# Altium PCB board.PcbDoc (part 2 of 4)
Units mm, origin at the board's own origin, x right, y up, seen from the top; angles counter-clockwise.
Board outline 300 x 184 mm, 2 copper layers (Top Layer, Bottom Layer); 398 components, 261 nets, 1329 pads, 584 vias.
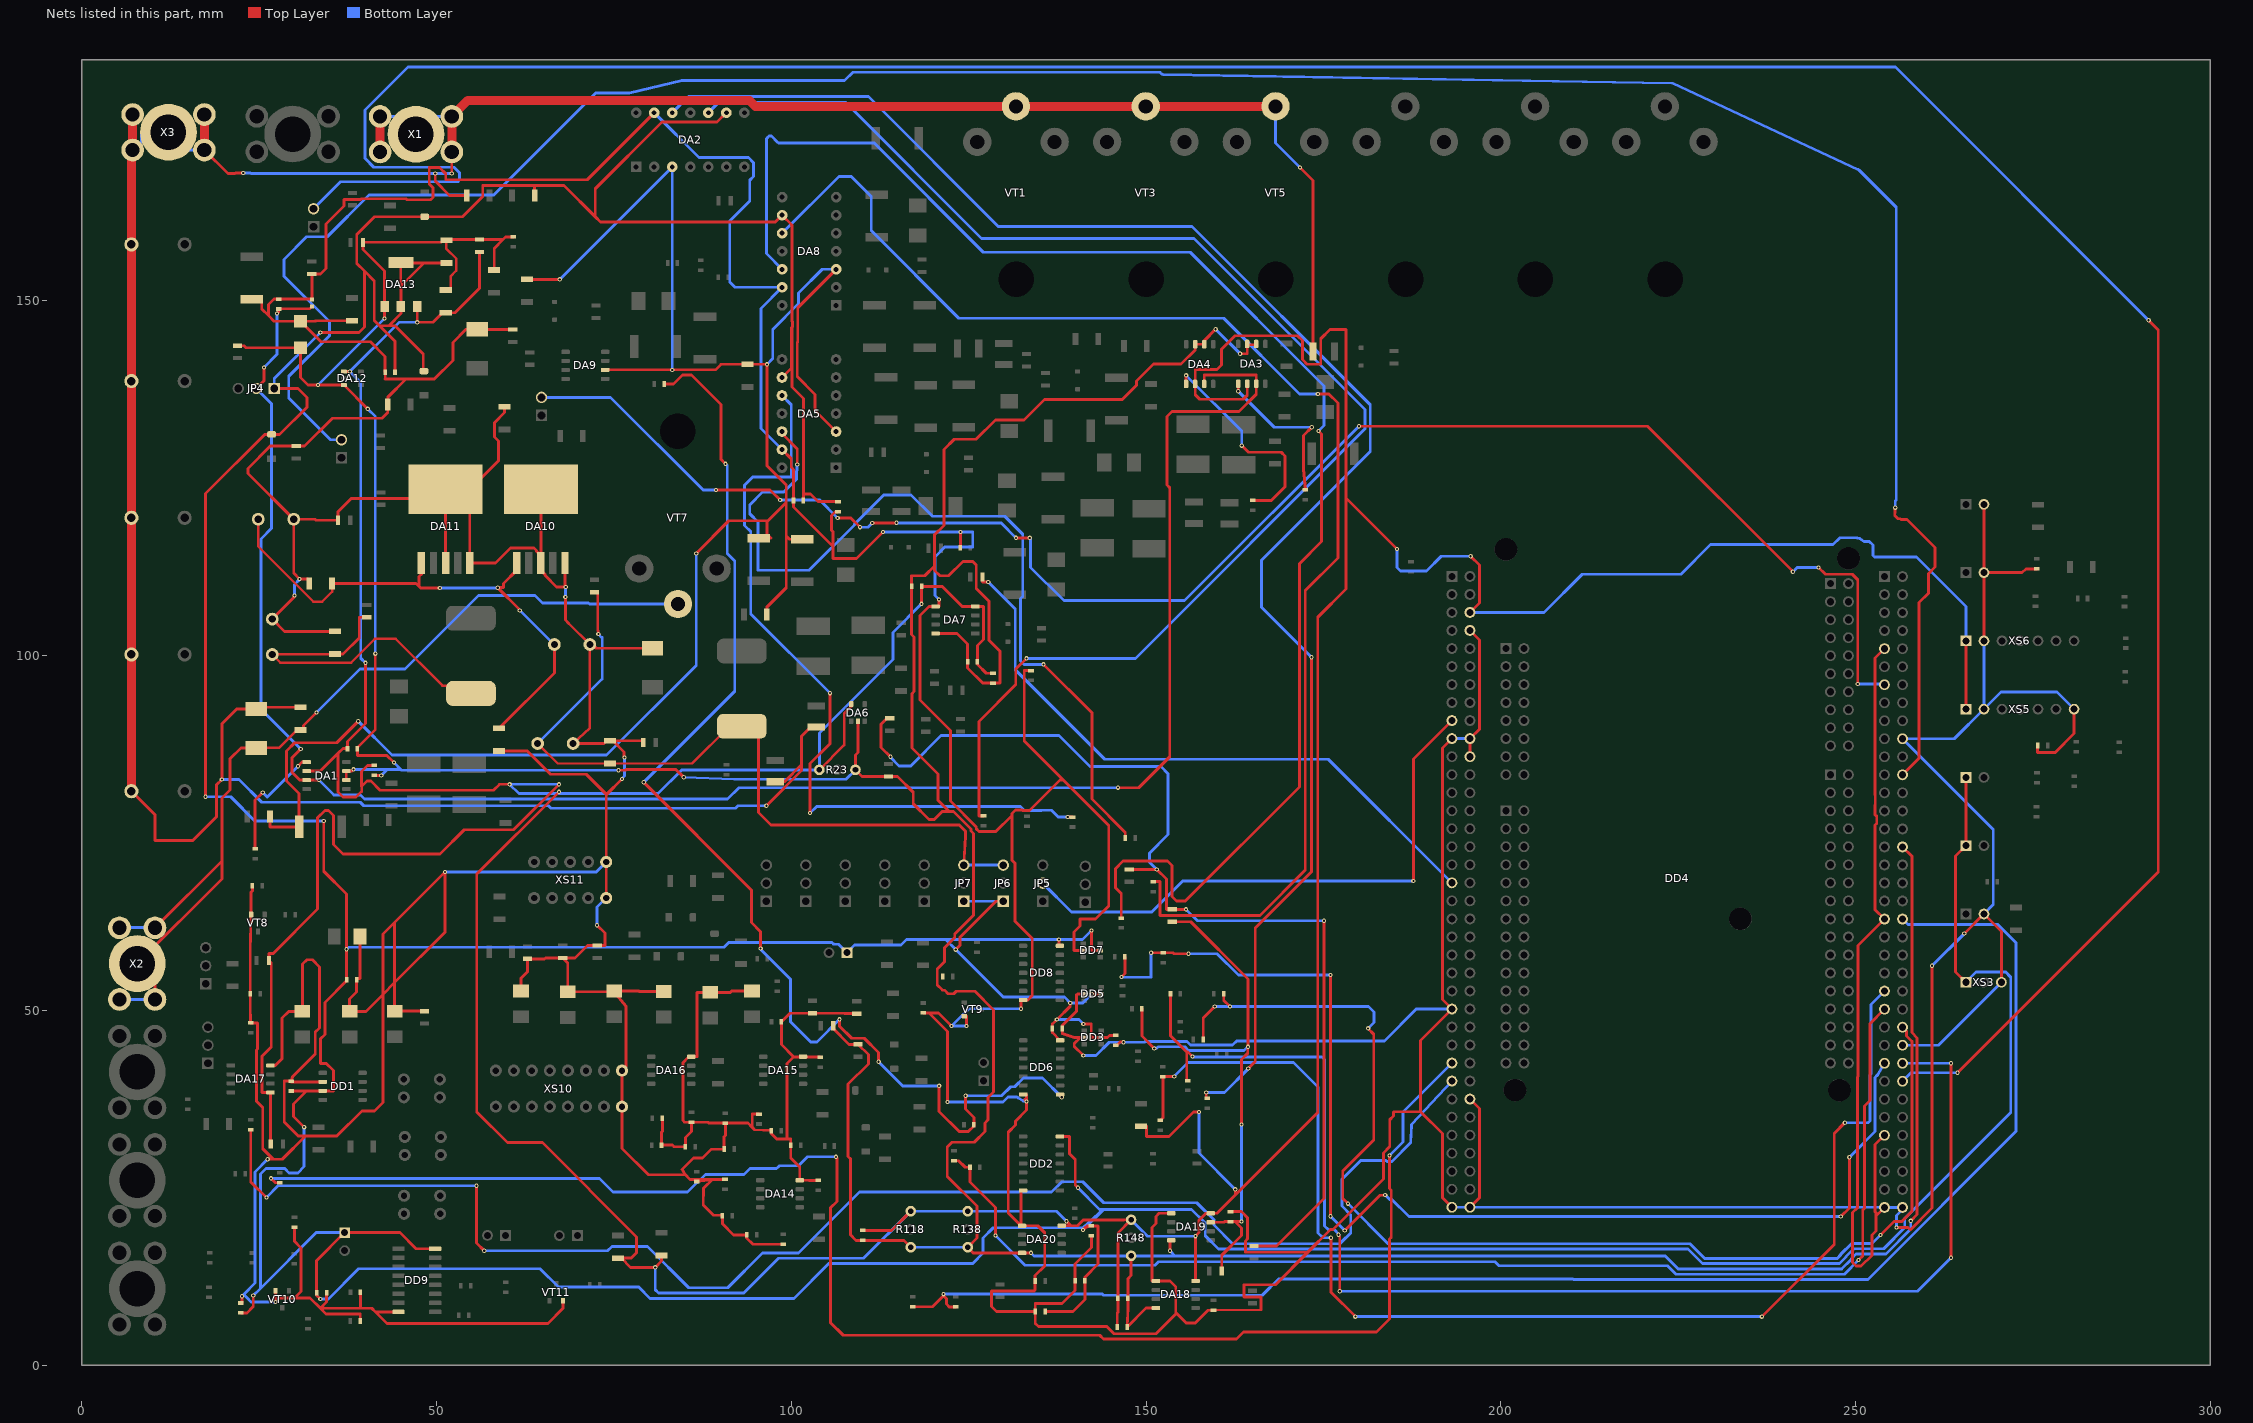
[diagram p2: the nets of this part, all layers, seen from the top]

## Part data
C1 C2 C3 C4 C6 C9 C11 C12 C13 C14 C16 C21 C22 C24 C25 C27: Voltage=100В, ComponentLink1Description="Product link", GOST_Name_0=-, GOST_Name_2=100В
  C1 C2 C6 C11 C12 C16 C21 C22 C27: ComponentLink1URL=https://www.promelec.ru/product/413761/, GOST_Name_1=CC1210, GOST_Name_3="4.7 мкФ", Name=CC1210
  C3 C9 C14 C25: GOST_Name_1=CC1206, GOST_Name_3="0.1 мкФ", Name=CC1206
  C4 C13 C24: GOST_Name_1=CC0805, GOST_Name_3="0,1 мкФ", Name=CC0805
C5 C8 C10 C15 C18 C19 C23 C26 C29 C49 C58 C59 C62 C64 C65 C67 C71 C72 C73 C74 C75 C76 C77 C78 C79 C80 C81 C82 C83 C84 C85: Voltage=16В, ComponentLink1Description="Product link", GOST_Name_0=-, GOST_Name_2=16В
  C5 C8 C10 C15 C18 C19 C23 C26 C29 C62 C64 C65 C67 C71 C72 C73 C74 C75 C76 C77 C78 C79 C80 C81 C82 C83 C84 C85: GOST_Name_1=CC0603, GOST_Name_3="0.1 мкФ", Name=CC0603
  C49: GOST_Name_1=CC0402, GOST_Name_3="10 нф", Name=CC0402
  C58 C59: GOST_Name_1=CC0805, GOST_Name_3="10 нФ", Name=CC0805
C7 C17 C20 C28 C30 C35 C40 C47 C60 C61 C63 C66 C68 C69 C70: Voltage=50В, ComponentLink1Description="Product link", GOST_Name_0=-, GOST_Name_2=50В
  C7 C17 C28 C30: GOST_Name_1=CC1206, GOST_Name_3="0.47 мкФ", Name=CC1206
  C20: GOST_Name_1=CC0805, GOST_Name_3="10 нФ", Name=CC0805
  C35 C40 C47: GOST_Name_1=CC0805, GOST_Name_3="33 нФ", Name=CC0805
  C60: GOST_Name_1=CC0603, GOST_Name_3="10 нФ", Name=CC0603
  C61 C63 C66: GOST_Name_1=CC0603, GOST_Name_3="10 пФ", Name=CC0603
  C68 C69 C70: GOST_Name_1=CC0805, GOST_Name_3="0.1 мкФ", Name=CC0805
C31 C32 C36 C37 C46 C54 C55 C56 C57 C86: Voltage="50 В", ComponentLink1Description="Product link", GOST_Name_0=-, GOST_Name_2="50 В"
  C31 C32 C36 C37: GOST_Name_1=CC1206, GOST_Name_3="4,7 мкФ", Name=CC1206
  C46 C54 C56 C86: GOST_Name_1=CC0603, GOST_Name_3="0.1 мкФ", Name=CC0603
  C55: GOST_Name_1=CC0603, GOST_Name_3="10 нФ", Name=CC0603
  C57: GOST_Name_1=CC0805, GOST_Name_3="0.1 мкФ", Name=CC0805
C33 C38: library part "Сapacitor pol", Voltage="50 В", ComponentLink1Description="Product link", ComponentLink1URL=https://www.promelec.ru/product/396474/, GOST_Name_0=-, GOST_Name_1=EXR471M50B, GOST_Name_2="50 В", GOST_Name_3="470 мкФ", Name=EXR471M50B
C34 C39: library part "Сapacitor pol", Voltage="35 В", ComponentLink1Description="Product link", ComponentLink1URL=https://www.promelec.ru/product/134576/, GOST_Name_0=-, GOST_Name_1=B41858C7227M, GOST_Name_2="35 В", GOST_Name_3="220 мкФ", Name=B41858C7227M
C48: Voltage=10В, ComponentLink1Description="Product link", GOST_Name_0=-, GOST_Name_1=CC0603, GOST_Name_2=10В, GOST_Name_3="1 мкФ", Name=CC0603
C50 C51 C52 C53: Voltage="25 В", ComponentLink1Description="Product link", GOST_Name_0=-, GOST_Name_2="25 В"
  C50 C51: GOST_Name_1=CC0805, GOST_Name_3="1 мкФ", Name=CC0805
  C52 C53: GOST_Name_1=CC1206, GOST_Name_3="10 мкФ", Name=CC1206
DA1 DA3 DA4: library part AD8210, ComponentLink1Description="Product link", ComponentLink1URL=https://www.chipdip.ru/product/ad8210yrz, Datasheet=https://static.chipdip.ru/lib/693/DOC011693392.pdf, GOST_Name_1="AD8210YRZ, ф Analog Devices", Name="AD8210YRZ, ф Analog Devices"
DA6: "Одиночный операционный усилитель.", ComponentLink1Description="Product link", ComponentLink1URL=https://www.chipdip.ru/product/ts321ailt-stm, Datasheet=https://static.chipdip.ru/lib/693/DOC011693392.pdf, GOST_Name_1="TS321AILT ф. STMicroelectronics", Name="TS321AILT ф. STMicroelectronics"
DA7 DA18 DA19 DA20: "Компаратор", ComponentLink1Description="Product link", ComponentLink1URL=https://www.promelec.ru/product/40196/, GOST_Name_1="LM211DT, ф ST Microelectronics"
DA9: "Драйвер сдвоенный нижнего плеча 8SOIC", ComponentLink1Description="Product link", ComponentLink1URL=https://www.promelec.ru/product/203606/, GOST_Name_1="IR4427STRPBF, ф. Infineon Technologies", Name="IR4427STRPBF, ф. Infineon Technologies"
DA10 DA11: library part LM2596, ComponentLink1Description="Product link", ComponentLink1URL=https://www.promelec.ru/search/?query=LM2596, GOST_Name_2="' ф.  UMW Youtai Semiconductor'"
  DA10: GOST_Name_1=LM2596S-5.0, Name=LM2596S-5.0
  DA11: GOST_Name_1=LM2596HVS-12.0, Name=LM2596HVS-12.0
DA12: "Источник опорного напряжения 3.3В", ComponentLink1Description="Product link", ComponentLink1URL=https://www.chipdip.ru/product0/8017231744, GOST_Name_1="TPR3533-S3TR ф 3PEAK", Name="TPR3533-S3TR ф 3PEAK"
DA13: "Линейный регулятор с низким падением напряжения, +3.3 В, 1А", ComponentLink1Description="Product link", ComponentLink1URL=https://www.chipdip.ru/product/lm1117gs-3.3, GOST_Name_1="LM1117GS-3.3, ф TAEJIN TECHNOLOGY Co., Ltd.", Name="LM1117GS-3.3, ф TAEJIN TECHNOLOGY Co., Ltd."
DA14 DA15 DA16 DA17: library part MAX485ESA, ComponentLink1Description="Product link", ComponentLink1URL=https://www.platan.ru/cgi-bin/qwery.pl/id=355590810, Datasheet=https://doc.platan.ru/pdf/datasheets/maxim/MAX1487E-MAX491E-101921.pdf, GOST_Name_1="MAX485ESA+ ф. Maxim Integrated"
DD1: "Физический уровень CAN", ComponentLink1Description="New link", ComponentLink1URL=https://www.chipdip.ru/product/max3051esa-maxim, GOST_Name_1="TPT1051V-SO1R, ф. 3PEAK INCORPORATED"
DD2 DD6: "Логическая ИС, логическая функция 2И [SO-14]", ComponentLink1Description="Product link", ComponentLink1URL=https://www.chipdip.ru/product/74hc08d, Name="74HC08D, ф Nexperia B.V."
DD3 DD5 DD7: "Двойной инвертер [SOT-23-6]", ComponentLink1Description="Product link", ComponentLink1URL=https://www.chipdip.ru/product/74lvc2g04gw-125, Name="74LVC2G04GW, ф Nexperia B.V."
DD4: "STM32 Nucleo-144 development board with STM32F767ZI MCU, supports Arduino, ST Zio and morpho connectivity", Package=None, Availability=Unavailable, GOST_Name_1="NUCLEO-F429ZI, ф. STMicroelectronics", MF=STMicroelectronics, MP=NUCLEO-F429ZI, Name="NUCLEO-F429ZI, ф. STMicroelectronics", Price=None
DD8: "Логическая ИС, логическая функция 2ИЛИ [SO-14]", ComponentLink1Description="Product link", ComponentLink1URL=https://www.chipdip.ru/product/74hct32d-653-nexperia, Name="74HCT32D, ф Nexperia B.V."
DD9: "Триггер RS-типа х 4 [SOIC-16]", ComponentLink1Description="Product link", ComponentLink1URL=https://www.chipdip.ru/product/hef4043bt-652-nexperia, Name="HEF4043BT, ф Nexperia B.V."
L1 L2: library part Inductor, Current="2.4 А", ComponentLink1Description="Product link", ComponentLink1URL=https://www.promelec.ru/product/347591/, GOST_Name_0=-, GOST_Name_1=CDRH127/LDNP-820MC, GOST_Name_2="2.4 А", GOST_Name_3="84 мкГн", Name=CDRH127/LDNP-820MC
R1 R2 R8 R10 R13 R15 R49 R55 R58 R62 R65 R67 R68 R69 R70 R71 R72 R73 R76 R81 R86 R90 R91 R92 R93 R94 R95 R99 R105 R109 R110 R164 R169 R171: Power="250 мВт", ComponentLink1Description="Product link", GOST_Name_0=-, GOST_Name_1=RC1206, GOST_Name_2="250 мВт", Name=RC1206
  R1 R2 R8 R10 R13 R15: GOST_Name_3="10 Ом"
  R49: GOST_Name_3="20 кОм"
  R55: GOST_Name_3="140 кОм"
  R58: GOST_Name_3="5 кОм"
  R62 R65 R67: GOST_Name_3="330 Ом"
  R68 R69 R70 R71 R72 R73 R90 R91 R92 R93 R94 R95: GOST_Name_3="1 кОм"
  R76 R81 R86 R109 R110: GOST_Name_3="120 Ом"
  R99 R105: GOST_Name_3="3.3 Ом"
  R164 R169 R171: GOST_Name_3="500 Ом"
R3 R4 R6 R9 R12 R14 R16 R18 R20 R24 R31 R33 R35 R37 R39 R40 R42 R57: Power="1 Вт", ComponentLink1Description="Product link", GOST_Name_0=-, GOST_Name_1=RC2512, GOST_Name_2="1 Вт", Name=RC2512
  R3 R4 R9 R14 R16 R20 R31 R33 R35 R37 R39 R40 R57: GOST_Name_3="100 Ом"
  R6 R12 R18 R24 R42: GOST_Name_3="50 Ом"
R5 R11 R17 R21 R22 R25 R26 R27 R28 R29 R30 R32 R34 R38 R43 R44 R45 R46 R47 R48 R50 R51 R52 R53 R54 R56 R59 R60 R61 R74 R96 R106 R114 R120 R121 R127 R140 R141 R145 R151 R152 R156: Power="125 мВт", ComponentLink1Description="Product link", GOST_Name_0=-, GOST_Name_2="125 мВт"
  R5 R11 R17 R21 R22 R30 R34 R38 R43 R74 R96 R106 R114: GOST_Name_1=RC0805, GOST_Name_3="10 кОм", Name=RC0805
  R25 R28 R45 R51 R61: GOST_Name_1=RC0805, GOST_Name_3="1 кОм", Name=RC0805
  R26 R120 R140 R151: GOST_Name_1=RC0805, GOST_Name_3="20 кОм", Name=RC0805
  R27 R29 R32 R121 R127 R141 R145 R152 R156: GOST_Name_1=RC0805, GOST_Name_3="500 Ом", Name=RC0805
  R44: GOST_Name_1=RC0805, GOST_Name_3="3 кОм", Name=RC0805
  R46 R52 R56: GOST_Name_1=RC1206, GOST_Name_3="10 кОм", Name=RC1206
  R47 R53 R59: GOST_Name_1=RC0805, GOST_Name_3=1кОм, Name=RC0805
  R48 R54 R60: GOST_Name_1=RC1206, GOST_Name_3=750Ом, Name=RC1206
  R50: GOST_Name_1=RC0805, GOST_Name_3="9 кОм", Name=RC0805
R7 R19 R36 R41 R63 R64 R66 R77 R78 R79 R82 R83 R84 R87 R88 R89 R97 R98 R100 R101 R102 R103 R104 R107 R108 R111 R112 R113 R115 R116 R117 R119 R122 R123 R124 R125 R126 R128 R129 R130 R131 R132 R133 R134 R135 R136 R137 R139 R142 R143 R144 R146 R147 R149 R150 R153 R154 R155 R157 R158 R159 R160 R161 R162 R163 R165 R166 R167 R168 R170 R172 R173 R174 R175 R176 R177 R178 R179 R180 R181: Power="100 мВт", ComponentLink1Description="Product link", GOST_Name_0=-, GOST_Name_1=RC0603, GOST_Name_2="100 мВт", Name=RC0603
  R7 R19 R36 R41 R97 R98 R100 R101 R102 R103 R104 R108 R115 R119 R122 R123 R124 R125 R126 R128 R129 R130 R131 R132 R133 R134 R135 R136 R137 R139 R142 R143 R144 R146 R147 R149 R150 R153 R154 R155 R157 R158 R159 R160 R161 R162 R163 R165 R166 R167 R170 R172 R173 R174 R175 R176 R179 R180: GOST_Name_3="100 Ом"
  R63 R64 R66 R77 R78 R79 R82 R83 R84 R87 R88 R89 R107 R112 R113 R116 R181: GOST_Name_3="1 кОм"
  R111: GOST_Name_3=NM
  R117 R168 R177 R178: GOST_Name_3="4.7 кОм"
R75 R80 R85: Power=100мВт, ComponentLink1Description="Product link", GOST_Name_0=-, GOST_Name_1=RC0603, GOST_Name_2=100мВт, GOST_Name_3="1 кОм", Name=RC0603
RS1 RS2 RS3 RS4 RS5 RS6 RS7 RS8: Power="2 Вт", ComponentLink1Description="Product link", GOST_Name_0=-, GOST_Name_1=RC2816, GOST_Name_2="2 Вт", GOST_Name_3="10 мОм", Name=RC2816
VD1 VD3 VD5 VD6 VD8 VD10 VD11 VD13 VD15 VD16 VD18 VD19 VD20 VD21 VD22 VD23 VD24 VD25 VD26 VD27 VD28 VD29: library part Shotki, ComponentLink1Description="Product link"
  VD1 VD3 VD5 VD6 VD8 VD10 VD11 VD13 VD15 VD16: ComponentLink1URL=https://www.chipdip.ru/product/mbrs1100, GOST_Name_1="MBRS1100, 100В, 1А, ф. Sunmate Electronics", Name="MBRS1100, 100В, 1А, ф. Sunmate Electronics"
  VD18 VD20 VD21: ComponentLink1URL=https://www.promelec.ru/product/386699/, GOST_Name_1="SS510, 100В, 5А, ф. Hottech Co. Ltd", Name="SS510, 100В, 5А, ф. Hottech Co. Ltd"
  VD19 VD22 VD23 VD24 VD25 VD26 VD27 VD28 VD29: GOST_Name_1="MBR0540L, 40В, 0.5А, ф. Hottech", Name="MBR0540L, 40В, 0.5А, ф. Hottech"
VD2 VD4 VD7 VD9 VD12 VD14 VD17: library part "Zener diode", ComponentLink1Description="Product link", ComponentLink1URL=https://www.chipdip.ru/product/bzx384-c18.115, GOST_Name_1="BZX384-C18,115, Стабилитрон 18В 0.3Вт, ф Nexperia", Name="BZX384-C18,115, Стабилитрон 18В 0.3Вт, ф Nexperia"
VD30 VD31 VD32 VD33 VD34 VD35 VD36 VD37 VD38 VD39: library part "TVS Diode", ComponentLink1Description="Product link", GOST_Name_1="SMF5.0A, Диод защитный 5В 200Вт"
  VD30: ComponentLink1URL=https://www.chipdip.ru/product/smf5.0a-umw
VT1 VT2 VT3 VT4 VT5 VT6 VT7 VT8 VT9 VT10 VT11: library part N-MOSFET
  VT1 VT2 VT3 VT4 VT5 VT6: GOST_Name_1=IRF4227PFB, Name=IRF4227PFB
  VT7: ComponentLink1Description="Product link", ComponentLink1URL=https://www.chipdip.ru/product/irfp4710pbf, GOST_Name_1=IRFP4227PFB, Name=IRFP4227PFB
  VT8 VT9 VT10 VT11: ComponentLink1Description="Product link", ComponentLink1URL=https://www.chipdip.ru/product/irlml2803tr-umw?utm_source=direct&utm_medium=cpc&position_type=premium|k50id|010000005534644_5534644|cid|108406362|gid|5417216457|aid|15932497800|src|search_none&utm_campaign=Y_dinamicheskaya&utm_content=text1_ya&utm_term=&yclid=717148778588012543, GOST_Name_1=IRLML2803TR
XS10: library part DG141V-2.54-08P-14-00A(H), ComponentLink1Description="Product link", ComponentLink1URL=https://www.promelec.ru/product/102606/, GOST_Name_1="DG141V-2.54-08P-14-00A(H), ф. Degson Electronics Co", Name="DG141V-2.54-08P-14-00A(H), ф. Degson Electronics Co"
1 JP1 JP2 JP3 JP4 JP5 JP6 JP7 JP8 JP9 JP10 JP11 JP12 JP13 JP14 JP15: ComponentLink1Description="Product link", ComponentLink1URL=https://www.chipdip.ru/product/stps2h100a-2
C41 C42 C43 C44 C45: ComponentLink1Description="Product link", GOST_Name_1="B41858C9397M-100 В-390 мкФ", Name="B41858C9397M-100 В-390 мкФ"
DA2 DA5 DA8: ComponentLink1Description="Product link", ComponentLink1URL=https://www.promelec.ru/product/39435/, GOST_Name_1="IR2113PBF, ф. Infineon Technologies", Name="IR2113PBF, ф. Infineon Technologies"
HL1: ComponentLink1Description="Product link", GOST_Name_1=GNL-1206EC, Name=GNL-1206EC
R23 R118: ComponentLink1Description="Product link", GOST_Name_1="10 кОм ± 20% 0,5 Вт, 3296W-1-103LF, ф. Bourns", Name="10 кОм ± 20% 0,5 Вт, 3296W-1-103LF, ф. Bourns"
R138 R148: ComponentLink1Description="Product link", ComponentLink1URL=https://www.promelec.ru/product/452500/, GOST_Name_1="10 кОм ± 20% 0,5 Вт, 3296W-1-103LF, ф. Bourns", Name="10 кОм ± 20% 0,5 Вт, 3296W-1-103LF, ф. Bourns"
X1 X2 X3 X4 X5 X6 X7: ComponentLink1Description="Product link", GOST_Name_1="Соединение винтовое 10х5мм, М4", Name="Соединение винтовое 10х5мм, М4"
XS1 XS2 XS4 XS7 XS8 XS9 XS12 XS13 XS14 XS15: GOST_Name_1="JST-2.54 x2", Name="JST-2.54 x2"
XS3: Name="JST-2.54 x3"
XS5 XS6: GOST_Name_1="JST-2.54 x7", Name="JST-2.54 x7"
XS11: ComponentLink1Description="Product link", ComponentLink1URL=https://www.promelec.ru/product/403282/, GOST_Name_1="DG141V-2.54-05P-14-00AH, ф. Degson Electronics Co", Name="DG141V-2.54-05P-14-00AH, ф. Degson Electronics Co"
XS* XS*1 XS*2: ComponentLink1Description="Product link", ComponentLink1URL=https://www.promelec.ru/product/403282/, GOST_Name_1="DG141V-2.54-02P-14-00AH, ф. Degson Electronics Co"

## Via types
v1: diameter 0.6, hole 0.3, Top Layer to Bottom Layer, 584 vias

## Nets (pads, with @x,y where several pads share a name; then routed paths per layer and width w, separated by ;. In a path a pad name is that pad's centre, name@x,y a point inside that pad or via, vN(x,y) a via of type N, cw(c..) or ccw(c..) an arc to the next point about the centre after c; other vN are vias at no path point)
+3,3: R27.2 R121.2 R141.2 R152.2 | length 150.1
  Top Layer w0.4: R27.2@113.875,91.175 113.513,91.175 112.674,90.337 112.674,87.072 v1(113.995,85.751) ; R152.2@147.65,69.875 v1@151.51,69.875 ; v1(151.511,69.876) v1@151.51,69.875 ; v1(155.651,64.25) R141.2@153.7,64.25 152.878,64.25 152.878,68.507 v1@151.51,69.875 ; R121.2@165.225,16.825 168.411,16.825 175.082,23.496 v1(175.082,62.637)
  Bottom Layer w0.4: v1(113.995,85.751) 113.995,85.675 115.214,84.456 116.84,84.456 121.133,88.749 137.744,88.749 142.113,84.38 152.095,84.38 153.111,83.364 153.111,74.779 150.495,72.162 150.495,70.892 v1(151.511,69.876) ; v1(155.651,64.25) 157.264,62.637 v1(175.082,62.637)
+3.3: C8.2 C18.2 C29.2 C53.1 C71.1 C72.2 C75.2 C76.2 C78.2 C81.2 C82.2 C84.2 C85.2 DA2.9 DA5.9 DA8.9 DA13.2 DD1.3 DD2.14 DD3.5 DD5.5 DD6.14 DD7.5 DD8.14 DD9.16 HL1.A JP4.1 JP6.1 JP7.1 VD19.C VD22.C VD23.C XS1.1 XS3.1 XS7.1 XS9.1 XS15.1 | length 989.8
  Top Layer w0.35: DA13.2@45,149.2 DA13.2@45,155.4 ; DA5.9@98.705,139.195 100,140.49 100,146.208 100.15,146.358 ; 100,160.685 100.075,160.61 100.075,147.117 100.15,147.042
  Top Layer w0.4: v1(17.475,80.113) 17.475,122.835 25.815,131.175 VD22.C@26.775,131.175 27.917,131.175 31.75,135.008 31.75,136.38 30.48,137.65 JP4.1@27.165,137.65 ; C84.2@22.45,7.375 23.3,7.375 24.2,8.275 v1(24.2,9.821) ; C72.2@29.55,38.65 31.684,38.65 ; v1(31.369,33.554) 29.87,35.053 29.87,36.836 31.684,38.65 ; v1(33.655,9.348) 33.125,9.878 C85.2@33.125,10.2 33.125,14.74 XS15.1@37.075,18.69 44.858,18.69 47.128,16.42 DD9.16@49.835,16.42 ; v1(33.656,145.543) 39.091,145.543 39.853,146.305 39.853,154.179 ; v1(34.138,76.709) 34.138,69.624 37.35,66.412 v1(37.35,58.624) C71.1@37.35,54.325 37.35,54.179 34.291,51.121 34.291,46.609 33.694,46.011 33.694,42.534 34.48,42.534 35.484,41.53 35.484,38.665 DD1.3@34.006,38.665 31.699,38.665 31.684,38.65 ; C29.2@44.175,139.95 44.175,144.294 41.979,146.49 ; DA13.2@45,149.2 45.009,152.074 ; DA13.2@45,155.4 45.075,155.325 48.26,155.325 ; VD19.C@48.25,140.1 48.158,140.1 48.158,142.506 44.175,146.49 43.307,146.49 ; C53.1@51.425,155.325 48.26,155.325 ; HL1.A@63.85,164.85 63.85,166.269 ; DA2.9@90.86,176.5 89.545,175.185 81.788,175.185 72.39,165.787 72.39,161.85 ; C18.2@101.725,121.85 101.725,122.775 ; C8.2@106.6,121.7 103.801,121.7 102.726,122.775 101.725,122.775 ; v1(123.189,58.572) 123.8,59.183 123.8,60.312 128.883,65.395 JP6.1@129.886,65.395 ; C75.2@135.8,7.575 135.8,7.57 139.7,7.57 141.4,9.27 C78.2@141.4,11.925 141.4,12.396 143.256,14.252 143.256,19.65 C81.2@142.3,19.65 ; v1(137.719,59.996) 137.719,59.11 DD8.14@137.875,59.11 ; DD2.14@137.875,32.235 139.209,32.235 139.209,29.809 140.04,28.978 140.04,25.392 v1(140.411,25.02) ; DD6.14@137.9,45.785 136.8,46.885 C82.2@136.8,47.45 136.8,48.083 v1(137.435,48.718) 139.319,50.602 v1(139.319,51.055) ; v1(141.135,19.064) 141.445,19.374 ; v1(141.173,48.109) 142.286,48.109 142.286,46.2 DD3.5@143.7,46.2 144.577,46.2 144.852,46.475 C76.2@145.75,46.475 ; v1(142.316,61.266) 142.316,58.45 DD7.5@143.55,58.45 ; v1(142.367,52.325) DD5.5@143.7,52.325 ; XS3.1@265.54,53.975 264.075,55.44 264.075,71.753 XS7.1@265.54,73.218 265.532,73.226 265.532,82.831 XS1.1@265.54,82.839 ; 39.853,154.179 41.25,152.782 41.25,147.219 41.979,146.49 ; 39.853,154.179 38.786,155.246 38.786,159.361 41.275,161.85 VD23.C@48.35,161.85 53.67,161.85 56.54,164.72 56.54,166.269 63.85,166.269 ; 41.979,146.49 43.307,146.49 ; 43.307,146.49 45.009,148.191 45.009,152.074 ; 45.009,152.074 48.26,155.325 ; 63.85,166.269 67.97,166.269 72.39,161.85 ; 72.39,161.85 73.115,161.125 97.756,161.125 98.696,162.065 DA8.9@98.725,162.065 100.102,160.688 100.102,147.126 100.175,147.052 100.175,146.348 100.102,146.274 100.102,137.841 101.725,136.218 101.725,122.775 ; 141.445,19.374 141.721,19.65 C81.2@142.3,19.65 ; 141.445,19.374 C81.2@142.3,19.65
  Bottom Layer w0.4: v1(17.475,80.113) 21.016,80.113 24.419,76.709 v1(34.138,76.709) ; v1(24.2,9.821) 25.2,10.821 ; JP4.1@27.165,137.65 27.165,139.052 v1(33.656,145.543) ; v1(31.369,33.554) 31.369,27.992 30.48,27.103 29.235,27.103 28.626,27.712 25.973,27.712 25.2,26.939 25.2,10.821 ; v1(33.655,9.348) 34.79,9.348 39.043,13.602 64.6,13.602 67.191,11.011 78.514,11.011 80.1,9.425 100.388,9.425 105.289,14.326 125.577,14.326 127.051,15.8 127.051,17.959 128.473,19.381 141.135,19.381 144.043,21.972 ; XS15.1@37.075,18.69 33.069,18.69 25.2,10.821 ; v1(37.35,58.624) 37.628,58.902 90.529,58.902 91.201,59.575 105.744,59.575 105.994,59.325 106.69,59.325 XS9.1@107.865,58.15 108.94,59.225 115.477,59.225 116.248,59.996 121.765,59.996 ; JP7.1@124.321,65.395 JP6.1@129.886,65.395 ; v1(137.435,48.718) 140.564,48.718 v1(141.173,48.109) ; v1(140.411,25.02) 143.459,21.972 144.043,21.972 ; v1(141.135,19.064) 144.043,21.972 ; v1(142.316,61.266) 141.046,59.996 v1(137.719,59.996) 121.765,59.996 ; v1(142.367,52.325) 141.097,51.055 v1(139.319,51.055) 138.499,51.875 129.886,51.875 v1(123.189,58.572) 121.765,59.996 ; XS3.1@265.54,53.975 266.963,55.398 271.145,55.398 271.856,54.687 271.856,35.636 256.92,20.701 256.92,19.391 253.954,16.425 249.753,16.425 248.658,15.33 248.658,15.258 247.721,14.32 228.42,14.32 226.366,16.375 160.226,16.375 158.344,18.257 158.344,20.054 156.425,21.972 144.043,21.972
+3.3_ref: C48.1 C49.1 DA1.7 DA3.7 DA4.7 JP4.2 | length 276.8
  Top Layer w0.35: C48.1@27.8,148.85 32.125,148.85 C49.1@32.475,149.2
  Top Layer w0.4: JP4.2@24.625,137.65 25.705,138.73 v1(25.705,140.615) ; v1(27.559,148.21) 27.8,148.451 C48.1@27.8,148.85 ; v1(30.886,86.844) 29.655,85.613 29.655,83.567 30.757,82.465 DA1.7@31.731,82.465 v1(33.462,82.465) ; v1(146.048,81.393) 146.056,81.385 148.973,81.385 153.34,85.751 153.34,123.648 152.959,124.029 152.959,133.707 153.67,134.418 163.119,134.418 165.535,136.834 DA3.7@165.535,138.331 165.535,139.537 158.2,139.537 DA4.7@158.2,138.287
  Bottom Layer w0.4: JP4.2@24.625,137.65 26.775,135.5 26.775,117.95 25.275,116.45 25.275,92.455 v1(30.886,86.844) ; v1(25.705,140.615) 27.559,142.47 v1(27.559,148.21) ; v1(33.462,82.465) 35.552,80.375 39.303,80.375 39.878,79.8 91.048,79.8 92.633,81.385 146.041,81.385 v1(146.048,81.393)
+5: C5.2 C10.2 C15.2 C19.1 C26.1 C50.1 C52.1 C74.1 C79.1 C83.1 DA1.6 DA3.6 DA4.6 DA6.5 DA7.8 DA12.1 DA13.3 DA17.5 DA18.8 DA19.8 DA20.8 DD4.CN11_6 R23.1 R106.2 R114.1 R118.1 R138.1 R148.1 R164.1 R169.1 R171.1 XS5.1 XS6.1 | length 885
  Top Layer w0.4: R106.2@26.65,31.2 26.65,38.445 DA17.5@26.619,38.445 25.412,38.445 25.412,43.537 26.725,44.85 26.725,56.7 R114.1@26.4,57.025 26.4,58.04 27.026,58.04 33.274,64.288 33.274,77.166 34.29,78.182 34.798,78.182 35.484,77.496 35.484,73.382 36.83,72.035 50.495,72.035 53.924,75.464 60.884,75.464 v1(67.285,81.865) ; DA1.6@31.731,83.735 33.645,83.735 36.144,86.234 ; DA12.1@36.975,140.025 v1(37.795,140.025) ; C5.2@37.475,86.9 C5.2@37.475,86.92 ; 39.446,81.606 39.446,83.671 40.3,84.525 C19.1@41.25,84.525 ; 39.475,81.564 40.236,82.325 40.777,82.325 42.075,81.027 58.039,81.027 58.877,81.865 v1(60.325,81.865) ; 39.475,81.577 39.475,80.873 38.689,80.087 36.83,80.087 36.144,80.773 36.144,86.234 ; v1(40.005,98.985) 40.005,90.415 37.475,87.885 C5.2@37.475,86.92 ; DA13.3@47.3,149.2 v1(47.3,146.971) 49.521,146.971 50.875,148.325 C52.1@51.325,148.325 52.62,148.325 56.075,151.78 C50.1@56.075,156.875 ; v1(67.285,80.805) 55.699,69.22 55.699,35.684 60.013,31.37 64.948,31.37 78.218,18.1 78.218,15.848 77.47,15.1 R171.1@76.075,15.1 ; R171.1@75.625,15.1 R171.1@76.075,15.1 ; R169.1@81.725,15.475 81.725,14.675 v1(80.85,13.8) 77.375,13.8 R171.1@76.075,15.1 ; R23.1@103.975,83.9 107.467,87.392 107.467,91.805 108.45,92.787 DA6.5@108.45,93.175 ; C83.1@110.1,19 114.135,19 R118.1@116.85,21.715 ; v1(118.375,107.302) C26.1@118.375,109.754 ; C26.1@118.375,109.775 C26.1@118.375,109.754 ; C10.2@128.45,97.525 127.488,97.525 126.25,98.763 C15.2@126.25,99.15 126.25,101.41 127.102,102.261 127.102,106.93 DA7.8@125.944,106.93 124.109,106.93 121.285,109.754 C26.1@118.375,109.754 ; DA20.8@138.119,19.655 139.452,19.655 ; v1(138.811,20.296) 139.452,19.655 ; C74.1@145.95,5.4 145.95,7.367 146.05,7.467 C79.1@146.05,9.45 146.05,18.65 R148.1@147.9,20.5 146.886,20.481 141.161,20.481 140.335,19.655 139.452,19.655 ; R164.1@149.325,33.675 150.089,33.675 150.089,32.234 153.248,32.234 156.702,35.688 v1(157.48,35.688) ; DA18.8@156.994,11.88 156.972,11.88 v1(156.972,18.191) 157.478,18.697 157.478,20.446 158.462,21.43 DA19.8@159.144,21.43 160.02,21.43 162.585,23.995 ; v1(162.585,24.791) 162.585,23.995 ; DA3.6@164.265,138.331 164.265,136.69 163.695,136.12 157.566,136.12 156.93,136.755 DA4.6@156.93,138.287 156.93,140.311 160.02,140.311 160.655,140.946 160.655,143.181 162.56,145.086 171.348,145.086 172.034,144.4 172.034,141.736 172.72,141.05 174.625,141.05 174.625,144.654 175.932,145.961 178.181,145.961 178.181,122.217 ; v1(185.376,115.022) 178.181,122.217 ; DD4.CN11_6@195.645,106.085 196.977,107.417 196.977,112.773 v1(195.752,113.998) ; XS5.1@265.54,92.461 XS6.1@265.54,102.082 ; 36.144,86.234 36.83,86.92 C5.2@37.475,86.92 ; 162.585,23.995 174.205,35.615 174.205,105.416 178.181,109.392 178.181,122.217
  Bottom Layer w0.4: v1(40.005,98.985) 39.348,99.642 39.348,138.472 v1(37.795,140.025) 44.736,146.965 v1(47.3,146.971) ; v1(67.285,81.865) v1(60.325,81.865) 61.64,80.55 81.235,80.55 84.585,83.9 R23.1@103.975,83.9 103.975,89.117 114.326,99.468 114.326,103.252 v1(118.375,107.302) ; v1(80.85,13.8) 80.85,10.642 81.317,10.175 93.313,10.175 98.214,15.076 110.211,15.076 R118.1@116.85,21.715 R138.1@124.875,21.715 137.392,21.715 v1(138.811,20.296) ; R148.1@147.9,20.5 150.209,18.191 v1(156.972,18.191) ; v1(157.48,35.688) 157.48,29.897 v1(162.585,24.791) ; v1(185.376,115.022) 185.376,112.422 185.874,111.924 189.523,111.924 191.597,113.998 v1(195.752,113.998) ; DD4.CN11_6@195.645,106.085 206.084,106.085 211.474,111.475 225.377,111.475 229.552,115.65 246.829,115.65 247.784,116.605 250.126,116.605 cw(c250.126,116.205) 250.246,116.587 250.577,116.485 250.636,116.467 251.213,116.069 251.927,116.069 252.425,115.571 252.425,114.134 252.659,113.9 258.552,113.9 265.54,106.912 XS6.1@265.54,102.082
+5V: C32.2 C34.1 JP6.3 JP7.3 L1.2 R44.1 | length 113
  Top Layer w0.35: C34.1@64.275,87.625 67.1,84.8 C32.2@74.45,84.8 86.05,84.8 91.3,90.05 L1.2@93.05,90.05 ; R44.1@72.3,108.95 72.65,108.95 72.775,108.825 72.775,103.525 72.825,103.475 v1(72.825,103.032)
  Top Layer w0.4: L1.2@93.05,90.05 95.377,90.05 95.377,77.907 97.137,76.147 123.689,76.147 124.583,75.252 124.583,74.537 JP7.3@124.321,70.475
  Bottom Layer w0.35: C34.1@64.275,87.625 73.35,96.7 73.35,102.575 73.282,102.575 v1(72.825,103.032)
  Bottom Layer w0.4: JP7.3@124.321,70.475 JP6.3@129.886,70.475
+12: C7.2 C17.2 C28.2 C30.2 DA2.3 DA5.3 DA8.3 DA9.6 R3.2 R14.2 R31.2 | length 284.3
  Top Layer w0.35: DA9.6@73.794,140.265 v1(83.24,140.265) 89.307,140.265 90.092,141.05 C28.2@93.85,141.05
  Top Layer w0.4: C17.2@26.55,77.35 26.55,75.875 R14.2@30.65,75.875 30.65,80.595 28.905,82.34 28.905,86.585 30.036,87.716 35.966,87.716 v1(39,90.75) ; C30.2@62.75,153.025 v1(67.385,153.025) ; v1(86.614,114.403) 91.211,119 96.727,119 ; C28.2@93.85,141.05 v1(96.596,141.05) 96.596,126.765 99.3,124.062 99.3,121.573 ; R3.2@95.425,116.575 97.155,116.575 96.596,117.134 96.596,118.869 96.727,119 ; C7.2@96.55,105.775 96.55,106.808 99.3,109.558 99.3,116.841 ; R31.2@101.575,116.4 99.741,116.4 99.3,116.841 ; DA5.3@106.325,131.575 103.378,134.522 103.378,136.813 100.852,139.34 100.852,144.146 100.925,144.219 100.925,149.025 DA8.3@106.345,154.445 ; 96.727,119 99.3,121.573 ; 99.3,116.841 99.3,121.573
  Bottom Layer w0.4: v1(39,90.75) 43.77,85.98 73.99,85.98 86.614,98.604 v1(86.614,114.403) ; v1(67.385,153.025) DA2.3@83.24,168.88 v1(83.24,140.265) ; v1(96.596,141.05) 97.405,141.859 97.405,145.982 101.05,149.627 101.05,151.125 104.37,154.445 DA8.3@106.345,154.445
+12V: C37.2 C39.1 L2.2 R50.1 | length 49.4
  Top Layer w0.35: C39.1@26.875,100.15 28.025,99 37.975,99 41.35,102.375 44.25,102.375 50.85,95.775 52.9,95.775 L2.2@54,94.675
  Top Layer w0.4: C39.1@26.875,100.15 26.912,100.187 35.663,100.187 C37.2@35.7,100.225 36.86,100.225 39.125,102.49 39.125,105.4 R50.1@40.2,105.4
+Vin: C31.2 C33.1 C36.2 C38.1 DA10.1 DA11.1 | length 77.7
  Top Layer w0.35: C38.1@24.9,119.225 24.9,115.383 32.683,107.6 33.9,107.6 35.3,109 C36.2@35.3,110.175
  Top Layer w0.4: C36.2@35.3,110.175 47.15,110.175 47.555,109.77 ; DA11.1@47.9,113.05 47.9,111.475 47.555,111.13 47.555,109.77 ; v1(50.495,109.526) 47.799,109.526 47.555,109.77 ; C31.2@58.8,89.75 66.625,97.575 C33.1@66.625,101.575 ; DA10.1@61.325,113.05 61.325,112.025 59.463,110.163 59.463,109.613 58.688,109.613 v1(58.65,109.575) 61.712,106.513 61.712,106.413 v1(61.75,106.375)
  Bottom Layer w0.4: v1(50.495,109.526) v1@58.674,109.526 ; v1(61.75,106.375) 61.788,106.375 66.588,101.575 C33.1@66.625,101.575
+VM_SM: C6.2 C16.2 C27.2 C41.1 C42.1 C43.1 C44.1 C45.1 R49.1 R55.1 VD20.C VT1.D VT3.D VT5.D X1.1 X3.1 | length 476.8
  Top Layer w0.4: C45.1@7.025,80.9 10.35,77.575 10.35,73.95 15.675,73.95 19.025,77.3 19.025,81.801 v1(19.775,82.551) 19.775,90.41 21.865,92.5 VD20.C@24.625,92.5 24.85,92.725 R49.1@30.825,92.725 ; X3.1@17.3,171.25 20.625,167.925 21.627,167.925 21.723,168.021 v1(22.779,168.021) ; v1(49.85,167.925) 49.85,166.875 51.875,164.85 R55.1@54.3,164.85 ; v1(52.175,167.925) X1.1@52.175,170.975 ; v1(96.501,78.849) 101.473,83.821 101.473,84.638 ; C16.2@97.75,82.225 99.06,82.225 101.473,84.638 ; C27.2@103.525,89.925 102.768,89.925 101.473,88.63 101.473,84.638 ; v1(171.704,168.784) 173.55,166.938 C6.2@173.55,142.85
  Top Layer w1.27: C45.1@7.025,80.9 C41.1@7.025,100.162 C42.1@7.025,119.425 ; C42.1@7.025,119.425 C43.1@7.025,138.688 C44.1@7.025,157.95 7.025,171.075 X3.1@7.2,171.25 X3.1@7.2,176.25 ; X3.1@17.3,171.25 X3.1@17.3,176.25 ; X1.1@42.075,170.975 X1.1@42.075,175.975 ; X1.1@52.175,170.975 X1.1@52.175,175.975 54.435,178.235 94.119,178.235 94.954,177.4 VT1.D@131.675,177.4 VT3.D@149.965,177.4 VT5.D@168.255,177.4
  Bottom Layer w0.4: X3.1@7.2,171.25 8.442,172.492 8.442,173.75 X3.1@12.25,173.75 14.75,171.25 X3.1@17.3,171.25 ; v1(19.775,82.551) 22.188,82.551 25.4,79.339 39.278,79.339 39.768,78.849 65.785,78.849 66.135,78.5 92.152,78.5 92.501,78.849 v1(96.501,78.849) ; v1(22.779,168.021) 23.783,168.021 23.879,167.925 v1(49.85,167.925) v1(52.175,167.925) ; X1.1@42.075,175.975 44.625,175.975 X1.1@47.125,173.475 49.625,175.975 X1.1@52.175,175.975 ; VT5.D@168.255,177.4 168.255,172.233 v1(171.704,168.784)
AGND: 1.1 C5.1 C10.1 C15.1 C19.2 C26.2 C46.1 C50.2 C51.2 C52.2 C53.2 C57.1 C74.2 C79.2 C83.2 DA1.2 DA1.3 DA3.2 DA3.3 DA4.2 DA4.3 DA6.2 DA7.4 DA12.3 DA13.1 DA18.4 DA19.4 DA20.4 DD4.CN12_32 R21.2 R23.3 R58.2 R61.2 R74.2 R118.3 R138.3 R148.3 | length 732.7
  Top Layer w0.35: DA1.2@37.319,82.465 DA1.3@37.319,83.735 ; R61.2@39.65,158.225 50.675,158.225 50.975,158.525 C53.2@51.425,158.525 51.425,157.317 52.8,155.942 52.8,154.246 52,153.446 52,151.75 51.775,151.525 C52.2@51.325,151.525
  Top Layer w0.4: C51.2@21.975,143.675 22.9,143.675 23.2,143.375 1.1@30.85,143.375 30.85,139.175 31.9,138.125 v1(33.31,138.125) DA12.3@36.975,138.125 v1(40.325,134.775) ; DA1.3@37.319,83.735 38.1,83.735 v1(38.338,83.973) ; R61.2@39.65,158.225 39.65,157.244 42.7,154.194 DA13.1@42.7,149.2 v1(42.7,147.515) ; C19.2@41.25,83.125 v1(42.23,83.125) ; v1(41.4,100.275) 41.4,89.575 38.875,87.05 C5.1@38.875,86.9 38.875,85.944 43.013,85.944 v1(44.031,84.926) ; C53.2@51.425,158.525 51.525,158.625 C50.2@56.075,158.625 59.388,158.625 ; R58.2@58.15,154.35 58.15,157.387 59.388,158.625 ; C46.1@60.825,159 59.763,159 59.388,158.625 ; v1(75.65,83.852) 76.629,83.852 76.75,83.973 83.744,83.973 v1(84.861,82.856) ; C57.1@105.925,47.85 105.925,47.461 108.161,45.225 R74.2@109.425,45.225 110.875,43.775 110.875,42.474 108.026,39.625 108.026,29.427 108.35,29.103 108.35,18.394 109.144,17.6 C83.2@110.1,17.6 115.885,17.6 R118.3@116.85,16.635 ; DA6.2@109.4,90.775 109.4,86.336 109.055,85.991 R23.3@109.055,83.9 109.98,82.975 R21.2@113.725,82.975 114.975,82.975 117.194,80.756 117.194,79.133 119.412,76.914 120.17,76.914 121.298,78.042 122.276,78.042 ; DA7.4@120.356,103.12 123.35,103.12 124.85,101.62 C15.1@124.85,99.15 124.85,98.275 127,96.125 C10.1@128.45,96.125 129.413,96.125 129.413,100.61 127.864,102.16 127.864,107.672 126.086,109.45 126.086,112.783 125.584,113.285 124.212,113.285 122.18,111.253 120.98,111.253 120.218,112.015 120.218,112.65 ; v1(133.789,15.845) DA20.4@132.531,15.845 125.665,15.845 R138.3@124.875,16.635 126.175,17.935 126.175,22.437 121.996,26.616 121.996,30.735 122.686,31.425 125.788,31.425 127.3,32.937 127.3,34.142 127.75,34.592 127.75,37.75 128.525,38.525 128.525,50.063 125.888,52.7 123.251,52.7 122.901,52.35 122.1,52.35 121.592,52.858 121.304,52.858 120.574,53.589 120.574,55.82 121.625,56.871 121.625,58.837 123.05,60.262 123.05,60.782 125.679,63.412 125.679,74.957 125.333,75.303 125.333,75.563 122.854,78.042 122.276,78.042 ; R148.3@147.9,15.42 147.9,12.643 147.45,12.193 C79.2@147.45,9.45 147.45,8.17 C74.2@147.35,5.4 150.02,8.07 DA18.4@151.406,8.07 ; v1(153.391,16.13) 153.391,17.62 DA19.4@153.556,17.62 ; v1(159.817,146) 158.2,144.383 DA4.2@158.2,143.875 DA4.3@156.93,143.875 156.93,143.088 154.94,141.098 151.079,141.098 148.666,138.685 148.666,138.101 146.66,136.094 135.687,136.094 132.817,133.224 128.778,133.224 126.045,130.491 122.97,130.491 121.539,129.06 121.539,118.348 120.218,117.027 120.218,112.65 ; v1(163.271,142.546) 164.265,142.546 DA3.3@164.265,143.816 ; DA3.3@164.265,143.919 DA3.3@164.265,143.816 ; DA3.2@165.535,143.919 165.535,143.816 DA3.3@164.265,143.816 ; DD4.CN12_32@256.605,73.045 257.925,71.725 257.925,46.886 258.67,46.141 258.67,21.248 v1(257.77,20.348) ; 120.218,112.65 118.821,111.253 116.975,111.253 116.975,102.957 117.325,102.607 117.325,94.953 117.006,94.634 117.006,86.981 120.688,83.298 120.688,79.63 122.276,78.042